# Altium PCB PROC114E3_BRD.PcbDoc (part 1 of 18) (continued)
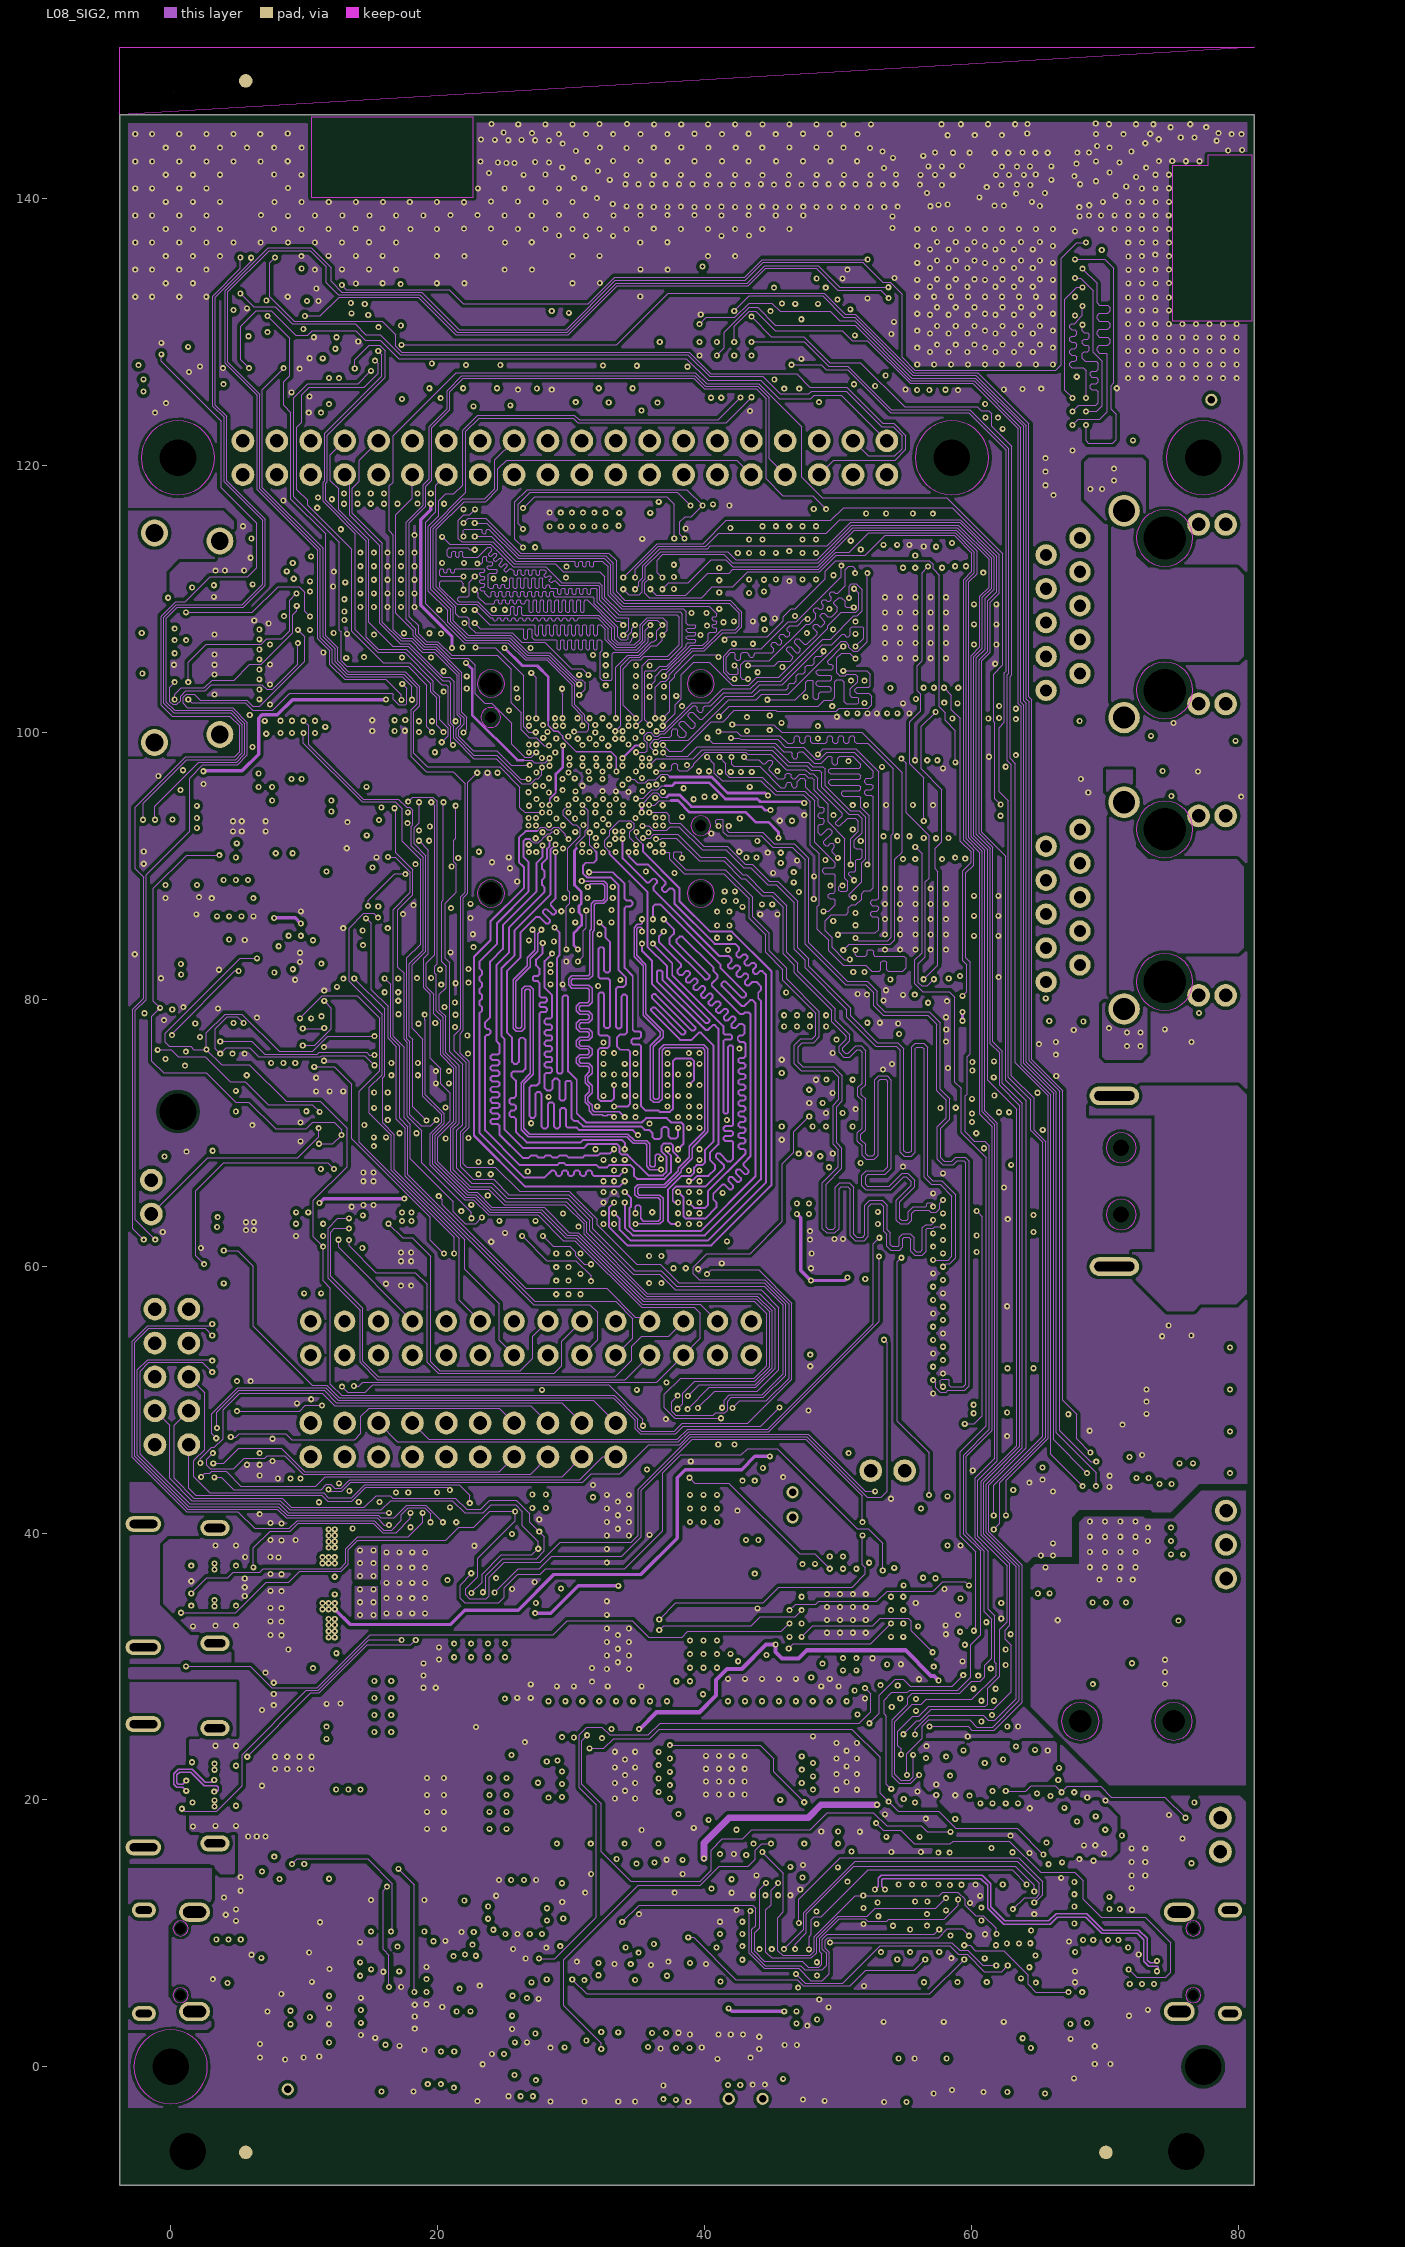
[diagram p8: L08_SIG2]
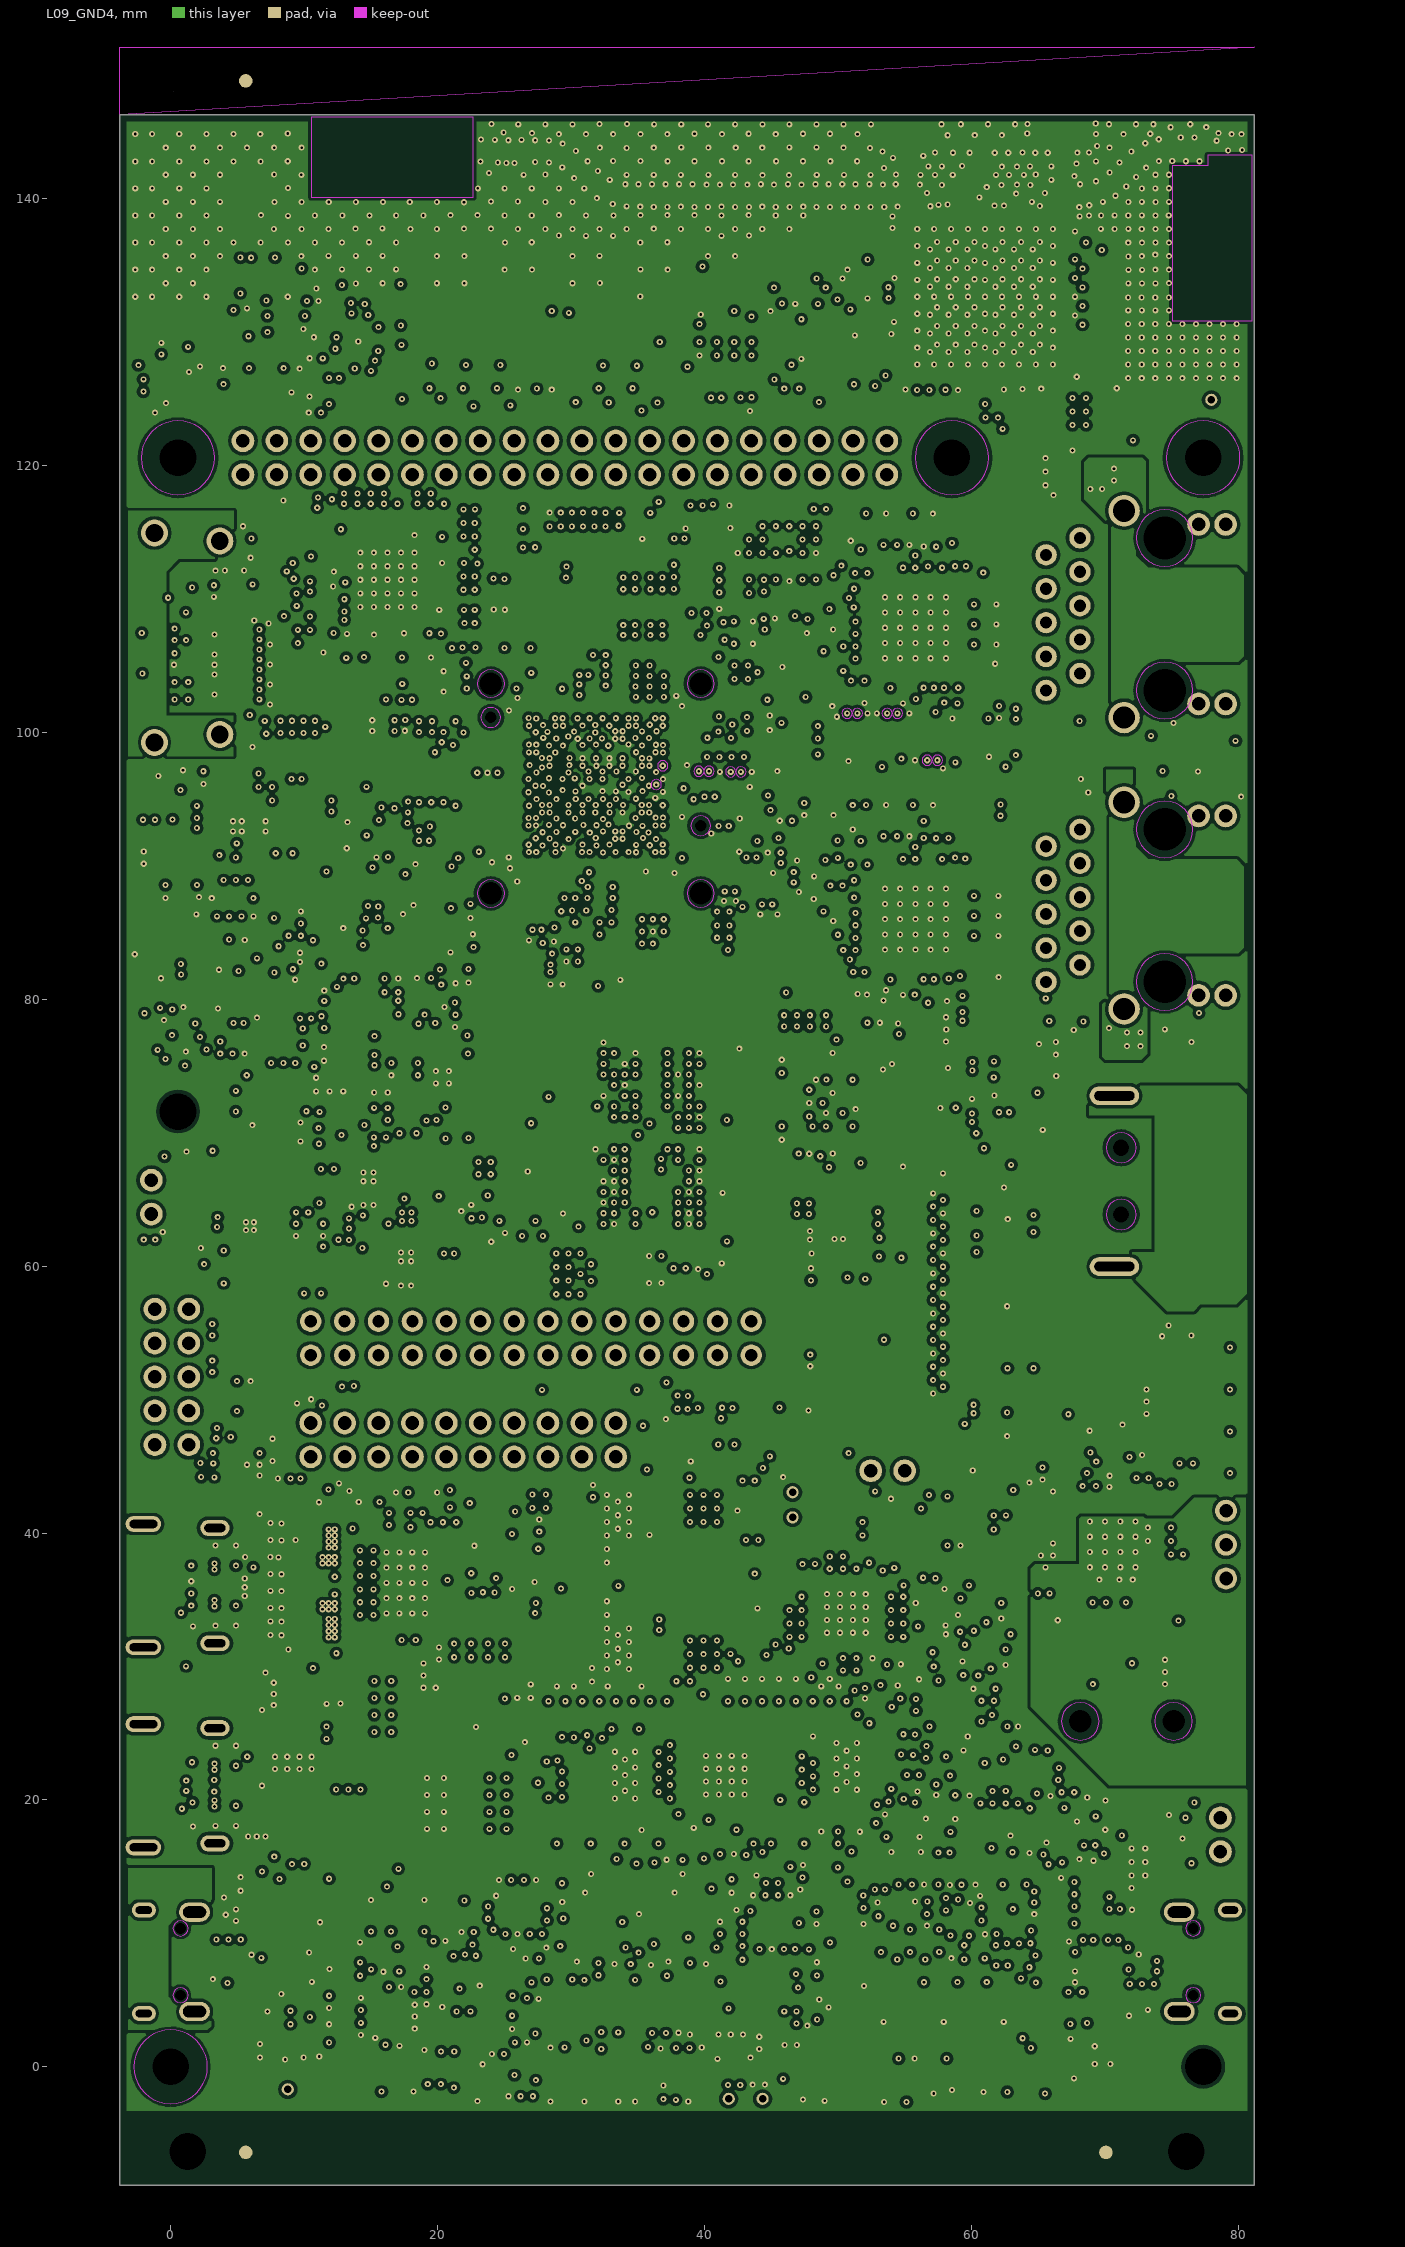
[diagram p9: L09_GND4]

## Layer stack, top to bottom
Top Solder: solder mask 0.0102, Solder Resist, Dk 3.5
TOP: signal copper 0.0348
Dielectric 1: core 0.0469, FR-4, Dk 3.79
L02_GND1: signal copper 0.032
Dielectric2: core 0.1016, FR-4, Dk 4.4
L03_SIG1: signal copper 0.032
Dielectric3: core 0.0844, FR-4, Dk 4.13
L04_GND2: signal copper 0.032
Dielectric4: core 0.127, FR-4, Dk 4.21
L05_PWR1: signal copper 0.032
Dielectric5: core 0.0911, FR-4, Dk 4.13
L06_PWR2: signal copper 0.0305
Dielectric6: core 0.127, FR-4, Dk 4.21
L07_GND3: signal copper 0.032
Dielectric7: core 0.0837, FR-4, Dk 4.13
L08_SIG2: signal copper 0.032
Dielectric8: core 0.1016, FR-4, Dk 4.4
L09_GND4: signal copper 0.032
Dielectric9: core 0.0469, FR-4, Dk 3.79
BOTTOM: signal copper 0.0348
Bottom Solder: solder mask 0.0102, Solder Resist, Dk 3.5

## Board outline
81.19,-3.81 81.19,-8.89 -3.81,-8.89 -3.81,-3.81 -3.81,146.287 81.19,146.287 81.19,-3.81
cut-out: -3.81,146.287 -3.81,151.367 81.19,151.367

## Design rules (kind name [scope] priority, off if disabled: settings)
Clearance [All] p1: gap=0.254 ignorepadtopadclearanceinfootprint=FALSE except(0: Arc-Hole Track-Hole SMDPad-Hole THPad-Hole Via-Hole Fill-Hole Poly-Hole Region-Hole Text-Hole)
DiffPairsRouting [All] p1: maxlimit=0.254 minlimit=0.254 mostfreqgap=0.254 toplayer_minwidth=0.381 toplayer_maxwidth=0.381 toplayer_prefwidth=0.381 midlayer1_minwidth=0.381 midlayer1_maxwidth=0.381 midlayer1_prefwidth=0.381 midlayer2_minwidth=0.381 midlayer2_maxwidth=0.381 midlayer2_prefwidth=0.381 midlayer3_minwidth=0.381 midlayer3_maxwidth=0.381 midlayer3_prefwidth=0.381 midlayer4_minwidth=0.381 midlayer4_maxwidth=0.381 midlayer4_prefwidth=0.381 midlayer5_minwidth=0.381 midlayer5_maxwidth=0.381 midlayer5_prefwidth=0.381 midlayer6_minwidth=0.381 midlayer6_maxwidth=0.381 midlayer6_prefwidth=0.381 midlayer7_minwidth=0.381 midlayer7_maxwidth=0.381 midlayer7_prefwidth=0.381 midlayer8_minwidth=0.381 midlayer8_maxwidth=0.381 midlayer8_prefwidth=0.381 bottomlayer_minwidth=0.381 bottomlayer_maxwidth=0.381 bottomlayer_prefwidth=0.381 maxuncoupledlength=12.7
PlaneConnect [All] p1: planeconnectstyle=Direct reliefexpansion=0.508 reliefentries=4 reliefconductorwidth=0.254 reliefairgap=0.254
PolygonConnect [All] p1: connectstyle=Direct reliefconductorwidth=0.254 reliefentries=4 polygonreliefangle="90 Angle" airgapwidth=0.254
RoomDefinition RoomsKeepOut7 [All vs False] p1: confinementstyle=ConfineOut formatcopy=TRUE lockcomponents=FALSE outline 3.306,71.584 3.272,72.016 3.171,72.436 3.005,72.836 2.779,73.206 2.498,73.535 2.169,73.816 1.799,74.042 1.4,74.208 0.979,74.309 0.547,74.343 0.116,74.309 -0.305,74.208 -0.705,74.042 -0.828,73.966 -1.074,73.816 -1.403,73.535 -1.685,73.206 -1.911,72.836 -2.076,72.436 -2.177,72.016 -2.211,71.584 -2.177,71.153 -2.076,70.732 -1.911,70.332 -1.685,69.963 -1.403,69.633 -1.074,69.352 -0.828,69.202 -0.705,69.126 -0.305,68.961 0.116,68.859 0.547,68.825 0.979,68.859 1.4,68.961 1.799,69.126 2.169,69.352 2.498,69.633 2.779,69.963 3.005,70.332 3.171,70.732 3.272,71.153 3.306,71.584
RoomDefinition RoomsKeepOut6 [All vs False] p2: confinementstyle=ConfineOut formatcopy=TRUE lockcomponents=FALSE outline 3.306,71.584 3.272,72.016 3.171,72.436 3.005,72.836 2.779,73.206 2.498,73.535 2.169,73.816 1.799,74.042 1.4,74.208 0.979,74.309 0.547,74.343 0.116,74.309 -0.305,74.208 -0.705,74.042 -0.828,73.966 -1.074,73.816 -1.403,73.535 -1.685,73.206 -1.911,72.836 -2.076,72.436 -2.177,72.016 -2.211,71.584 -2.177,71.153 -2.076,70.732 -1.911,70.332 -1.685,69.963 -1.403,69.633 -1.074,69.352 -0.828,69.202 -0.705,69.126 -0.305,68.961 0.116,68.859 0.547,68.825 0.979,68.859 1.4,68.961 1.799,69.126 2.169,69.352 2.498,69.633 2.779,69.963 3.005,70.332 3.171,70.732 3.272,71.153 3.306,71.584
RoomDefinition RoomsKeepOut5 [All vs False] p3: confinementstyle=ConfineOut formatcopy=TRUE lockcomponents=FALSE outline 80.139,0 80.105,0.432 80.004,0.852 79.838,1.252 79.612,1.621 79.331,1.951 79.002,2.232 78.632,2.458 78.233,2.624 77.812,2.725 77.38,2.759 76.949,2.725 76.528,2.624 76.128,2.458 76.005,2.382 75.759,2.232 75.429,1.951 75.148,1.621 74.922,1.252 74.757,0.852 74.655,0.432 74.622,0 74.655,-0.432 74.757,-0.852 74.922,-1.252 75.148,-1.621 75.429,-1.951 75.759,-2.232 76.005,-2.382 76.128,-2.458 76.528,-2.624 76.949,-2.725 77.38,-2.759 77.812,-2.725 78.233,-2.624 78.632,-2.458 79.002,-2.232 79.331,-1.951 79.612,-1.621 79.838,-1.252 80.004,-0.852 80.105,-0.432 80.139,0
RoomDefinition RoomsKeepOut4 [All vs False] p4: confinementstyle=ConfineOut formatcopy=TRUE lockcomponents=FALSE outline 80.139,0 80.105,0.432 80.004,0.852 79.838,1.252 79.612,1.621 79.331,1.951 79.002,2.232 78.632,2.458 78.233,2.624 77.812,2.725 77.38,2.759 76.949,2.725 76.528,2.624 76.128,2.458 76.005,2.382 75.759,2.232 75.429,1.951 75.148,1.621 74.922,1.252 74.757,0.852 74.655,0.432 74.622,0 74.655,-0.432 74.757,-0.852 74.922,-1.252 75.148,-1.621 75.429,-1.951 75.759,-2.232 76.005,-2.382 76.128,-2.458 76.528,-2.624 76.949,-2.725 77.38,-2.759 77.812,-2.725 78.233,-2.624 78.632,-2.458 79.002,-2.232 79.331,-1.951 79.612,-1.621 79.838,-1.252 80.004,-0.852 80.105,-0.432 80.139,0
RoomDefinition RoomsKeepOut3 [All vs False] p5: confinementstyle=ConfineOut formatcopy=TRUE lockcomponents=FALSE outline 6.714,-6.418 6.677,-6.136 6.568,-5.874 6.395,-5.648 6.169,-5.475 5.907,-5.366 5.625,-5.329 5.343,-5.366 5.081,-5.475 4.855,-5.648 4.682,-5.874 4.573,-6.136 4.536,-6.418 4.573,-6.7 4.682,-6.962 4.855,-7.188 5.081,-7.361 5.343,-7.47 5.625,-7.507 5.907,-7.47 6.169,-7.361 6.395,-7.188 6.568,-6.962 6.677,-6.7 6.714,-6.418
RoomDefinition RoomsKeepOut2 [All vs False] p6: confinementstyle=ConfineOut formatcopy=TRUE lockcomponents=FALSE outline 71.179,-6.418 71.142,-6.136 71.033,-5.874 70.86,-5.648 70.635,-5.475 70.372,-5.366 70.09,-5.329 69.808,-5.366 69.546,-5.475 69.32,-5.648 69.147,-5.874 69.039,-6.136 69.001,-6.418 69.039,-6.7 69.147,-6.962 69.32,-7.188 69.546,-7.361 69.808,-7.47 70.09,-7.507 70.372,-7.47 70.635,-7.361 70.86,-7.188 71.033,-6.962 71.142,-6.7 71.179,-6.418
RoomDefinition RoomsKeepOut1 [All vs False] p7: confinementstyle=ConfineOut formatcopy=TRUE lockcomponents=FALSE outline 71.179,-6.418 71.142,-6.136 71.033,-5.874 70.86,-5.648 70.635,-5.475 70.372,-5.366 70.09,-5.329 69.808,-5.366 69.546,-5.475 69.32,-5.648 69.147,-5.874 69.039,-6.136 69.001,-6.418 69.039,-6.7 69.147,-6.962 69.32,-7.188 69.546,-7.361 69.808,-7.47 70.09,-7.507 70.372,-7.47 70.635,-7.361 70.86,-7.188 71.033,-6.962 71.142,-6.7 71.179,-6.418
RoomDefinition RoomsKeepOut0 [All vs False] p8: confinementstyle=ConfineOut formatcopy=TRUE lockcomponents=FALSE outline 6.714,148.827 6.677,149.109 6.568,149.371 6.395,149.597 6.169,149.77 5.907,149.878 5.625,149.916 5.343,149.878 5.081,149.77 4.855,149.597 4.682,149.371 4.573,149.109 4.536,148.827 4.573,148.545 4.682,148.282 4.855,148.057 5.081,147.884 5.343,147.775 5.625,147.738 5.907,147.775 6.169,147.884 6.395,148.057 6.568,148.282 6.677,148.545 6.714,148.827
RoutingVias [All] p1: holewidth=0.711 width=1.27 viastyle="Through Hole" minholewidth=0.711 minwidth=1.27 maxholewidth=0.711 maxwidth=1.27
SolderMaskExpansion [All] p1: expansion=0.102 istentingtop=FALSE
Width [All] p1: maxlimit=0.254 minlimit=0.254 preferedwidth=0.254 impedanceprofiledriven=TRUE minimp=48.690000 maximp=50.300000 favimp=48.360000
28 further rules are at their usual default settings.

## Classes and differential pairs
net class DDR_DATA: DDR_DQ0 DDR_DQ1 DDR_DQ2 DDR_DQ3 DDR_DQ4 DDR_DQ5 DDR_DQ6 DDR_DQ7 DDR_DQ8 DDR_DQ9 DDR_DQ10 DDR_DQ11 DDR_DQ12 DDR_DQ13 DDR_DQ14 DDR_DQ15 DDR_LDM DDR_UDM
net class DDR_ADDR: DDR_A0 DDR_A1 DDR_A2 DDR_A3 DDR_A4 DDR_A5 DDR_A6 DDR_A7 DDR_A8 DDR_A9 DDR_A10 DDR_A11 DDR_A12 DDR_A13 DDR_A14_WEN DDR_A15_CAS DDR_A16_RAS DDR_ACTN DDR_ALERTN DDR_BA0 DDR_BA1 DDR_BG0 DDR_CKE DDR_CSN DDR_ODT DDR_PARITY DDR_TEN
differential pair XDS_USB: +XDS_USB_DM -XDS_USB_DP
differential pair SOC_USB0: +USBC_CONN2_DM -USBC_CONN2_DP
differential pair SOC_USB1: +USB0_TYPEACONN1_DM -USB0_TYPEACONN1_DP
differential pair SOC_USB1: +SOC_USB1_DP -USB0_TYPEACONN1_DM
differential pair SOC_USB1: +SOC_USB1_DM -SOC_USB1_DP
differential pair SOC_USB0: +SOC_USB0_DP -USBC_CONN2_DM
differential pair SOC_USB0: +SOC_USB0_DM -SOC_USB0_DP
differential pair HDMI_TX2: +HDMI_TX2- -HDMI_TX2+
differential pair HDMI_TX1: +HDMI_TX1- -HDMI_TX1+
differential pair HDMI_TX0: +HDMI_TX0- -HDMI_TX0+
differential pair HDMI_CLK: +HDMI_CLK- -HDMI_CLK+
differential pair FT4232_USB: +FT4232_USB_DM -FT4232_USB_DP
differential pair DDR_UDQS: +DDR_UDQS_N -DDR_UDQS_P
differential pair DDR_LDQS: +DDR_LDQS_N -DDR_LDQS_P
differential pair DDR_CLK: +DDR_CLKN -DDR_CLKP
differential pair CSI0_RX1: +CSI0_RXN1 -CSI0_RXP1
differential pair CSI0_RX0: +CSI0_RXN0 -CSI0_RXP0
differential pair CSI0_RXCLK: +CSI0_RXCLKN -CSI0_RXCLKP
differential pair CPSW_ETH2_D3: +CPSW_ETH2_D3M -CPSW_ETH2_D3P
differential pair CPSW_ETH2_D2: +CPSW_ETH2_D2M -CPSW_ETH2_D2P
differential pair CPSW_ETH2_D1: +CPSW_ETH2_D1M -CPSW_ETH2_D1P
differential pair CPSW_ETH2_D0: +CPSW_ETH2_D0N -CPSW_ETH2_D0P
differential pair CPSW_ETH1_D3: +CPSW_ETH1_D3M -CPSW_ETH1_D3P
differential pair CPSW_ETH1_D2: +CPSW_ETH1_D2M -CPSW_ETH1_D2P
differential pair CPSW_ETH1_D1: +CPSW_ETH1_D1M -CPSW_ETH1_D1P
differential pair CPSW_ETH1_D0: +CPSW_ETH1_D0N -CPSW_ETH1_D0P
differential pair CH2_LVDS_CLK: +CH2_LVDS_CLKN -CH2_LVDS_CLKP
differential pair CH2_LVDS_A3: +CH2_LVDS_A3N -CH2_LVDS_A3P
differential pair CH2_LVDS_A2: +CH2_LVDS_A2N -CH2_LVDS_A2P
differential pair CH2_LVDS_A1: +CH2_LVDS_A1N -CH2_LVDS_A1P
differential pair CH2_LVDS_A0: +CH2_LVDS_A0N -CH2_LVDS_A0P
differential pair CH1_LVDS_CLK: +CH1_LVDS_CLKN -CH1_LVDS_CLKP
differential pair CH1_LVDS_A3: +CH1_LVDS_A3N -CH1_LVDS_A3P
differential pair CH1_LVDS_A2: +CH1_LVDS_A2N -CH1_LVDS_A2P
differential pair CH1_LVDS_A1: +CH1_LVDS_A1N -CH1_LVDS_A1P
differential pair CH1_LVDS_A0: +CH1_LVDS_A0N -CH1_LVDS_A0P

## Components (designator, comment, footprint, x,y, rotation, side; value= is the part's Value field where it differs from the comment)
A1 "ANT_431115300245_ANT2_W3006_390" ANT2_W3006_390X130_SMD#1 16.746,144.318 r180 top
A2 "ANT_431115300245_ANT2_W3006_390" ANT2_W3006_390X130_SMD#2 79.297,137.059 r270 top
BGASKT425_C21135_720X720_9-7 "" BGASKT425_C21135_720X720_9-7 31.863,95.798 r90 top
C1 "CAP_CAP0402_0-75_2.4PF" CAP0402_0-75#1 76.183,143.705 r180 top
C2 "CAP_CAP0402_0-75_1PF" CAP0402_0-75#1 25.273,143.565 r0 top
C3 "CAP_CAP0201_0-5_0.1UF" CAP0201_0-5#1 53.43,134.451 r270 top
C4 "CAP_CAP0402_0-75_2.2UF" CAP0402_0-75#1 52.218,134.241 r270 top
C5 "CAP_CAP0201_0-5_0.1UF" CAP0201_0-5#1 49.379,134.02 r0 top
C6 "CAP_CAP0201_0-5_0.1UF" CAP0201_0-5#1 6.633,131.783 r0 top
C7 "CAP_CAP0201_0-5_0.1UF" CAP0201_0-5#1 10.672,131.783 r180 top
C8 "CAP_CAP0201_0-5_0.1UF" CAP0201_0-5#1 11.527,129.619 r0 top
C9 "CAP_CAP0402_0-75_10UF" CAP0402_0-75#1 52.135,129.271 r90 top
C10 "CAP_CAP0201_0-5_0.1UF" CAP0201_0-5#1 53.309,129.225 r90 top
C11 "CAP_CAP0201_0-5_0.1UF" CAP0201_0-5#1 11.527,128.755 r0 top
C12 "CAP_CAP0201_0-5_1UF" CAP0201_0-5#1 2.196,126.565 r90 top
C13 "CAP_CAP0402_0-75_2.2UF" CAP0402_0-75#1 7.431,125.461 r0 top
C14 "CAP_CAP0402_0-75_2.2UF" CAP0402_0-75#1 -1.167,125.169 r270 top
C15 "CAP_CAP0402_0-75_0.1UF" CAP0402_0-75#1 7.456,124.191 r180 top
C16 "CAP_CAP0201_0-5_1UF" CAP0201_0-5#1 41.322,116.715 r90 top
C17 "CAP_CAP0201_0-5_1UF" CAP0201_0-5#1 38.528,116.028 r270 top
C18 "CAP_CAP0402_0-75_0.1UF" CAP0402_0-75#1 39.323,113.01 r0 bottom
C19 "CAP_CAP0201_0-5_1UF" CAP0201_0-5#1 55.208,113.184 r90 top
C20 "CAP_CAP0201_0-5_0.1UF" CAP0201_0-5#1 6.834,113.091 r0 top
C21 "CAP_CAP0201_0-5_1UF" CAP0201_0-5#1 55.361,111.155 r270 top
C22 "CAP_CAP0201_0-5_0.1UF" CAP0201_0-5#1 56.25,111.155 r270 top
C23 "CAP_CAP0402_0-75_0.1UF" CAP0402_0-75#1 41.797,109.941 r90 top
C24 "CAP_CAP0201_0-5_0.01UF" CAP0201_0-5#1 59.367,109.597 r180 top
C25 "CAP_CAP0201_0-5_0.1UF" CAP0201_0-5#1 61.044,109.597 r0 top
C26 "CAP_CAP0201_0-5_0.01UF" CAP0201_0-5#1 61.05,108.849 r0 top
C27 "CAP_CAP0201_0-5_0.1UF" CAP0201_0-5#1 50.411,108.304 r180 top
C28 "CAP_CAP0201_0-5_1UF" CAP0201_0-5#1 52.182,108.304 r0 top
C29 "CAP_CAP0201_0-5_0.1UF" CAP0201_0-5#1 61.044,108.097 r0 top
C30 "CAP_CAP0201_0-5_0.01UF" CAP0201_0-5#1 47.07,107.96 r180 top
C31 "CAP_CAP0201_0-5_0.1UF" CAP0201_0-5#1 42.917,107.864 r0 top
C32 "CAP_CAP0201_0-5_0.1UF" CAP0201_0-5#1 52.182,107.39 r0 top
C33 "CAP_CAP0402_0-75_10UF" CAP0402_0-75#1 59.254,107.307 r180 top
C34 "CAP_CAP0201_0-5_0.1UF" CAP0201_0-5#1 42.917,107.102 r0 top
C35 "CAP_CAP0201_0-5_1UF" CAP0201_0-5#1 61.044,106.597 r0 top
C36 "CAP_CAP0201_0-5_0.1UF" CAP0201_0-5#1 21.299,104.582 r180 top
C37 "CAP_CAP0201_0-5_1UF" CAP0201_0-5#1 21.299,103.82 r0 top
C38 "CAP_CAP0201_0-5_0.01UF" CAP0201_0-5#1 50.037,103.694 r270 top
C39 "CAP_CAP0402_0-75_10UF" CAP0402_0-75#1 52.948,103.109 r270 top
C40 "CAP_CAP0201_0-5_0.1UF" CAP0201_0-5#1 21.299,103.058 r180 top
C41 "CAP_CAP0402_0-75_4.7UF" CAP0402_0-75#1 48.132,101.608 r0 top
C42 "CAP_CAP0201_0-5_0.1UF" CAP0201_0-5#1 15.959,100.837 r180 top
C43 "CAP_CAP0402_0-75_10UF" CAP0402_0-75#1 62.336,100.359 r180 top
C44 "CAP_CAP0201_0-5_0.1UF" CAP0201_0-5#1 15.959,100.075 r180 top
C45 "CAP_CAP0402_0-75_0.1UF" CAP0402_0-75#1 62.336,99.089 r180 top
C46 "CAP_CAP0402_0-75_0.1UF" CAP0402_0-75#1 1.233,96.403 r0 top
C47 "CAP_CAP0201_0-5_1UF" CAP0201_0-5#1 -0.646,96.175 r180 top
C48 "CAP_CAP0402_0-75_4.7UF" CAP0402_0-75#1 45.467,95.946 r90 top
C49 "CAP_CAP0402_0-75_4.7UF" CAP0402_0-75#1 48.981,94.547 r0 top
C50 "CAP_CAP0603_1_4.7UF" CAP0603_1#1 3.646,94.27 r0 top
C51 "CAP_CAP0201_0-5_0.01UF" CAP0201_0-5#1 14.254,93.701 r180 top
C52 "CAP_CAP0603_1_22UF" CAP0603_1#1 6.229,93.558 r270 top
C53 "CAP_CAP0402_0-75_0.1UF" CAP0402_0-75#1 7.867,93.558 r90 top
C54 "CAP_CAP0201_0-5_0.1UF" CAP0201_0-5#1 14.254,92.939 r180 top
C55 "CAP_CAP0201_0-5_0.1UF" CAP0201_0-5#1 43.081,92.7 r90 top
C56 "CAP_CAP0201_0-5_0.1UF" CAP0201_0-5#1 43.97,92.7 r90 top
C57 "CAP_CAP0402_0-75_4.7UF" CAP0402_0-75#1 15.174,91.473 r0 top
C58 "CAP_CAP0201_0-5_1UF" CAP0201_0-5#1 55.208,91.34 r90 top
C59 "CAP_CAP0402_0-75_0.1UF" CAP0402_0-75#1 12.462,90.752 r270 top
C60 "CAP_CAP0402_0-75_4.7UF" CAP0402_0-75#1 -0.794,90.617 r180 top
C61 "CAP_CAP0201_0-5_0.01UF" CAP0201_0-5#1 54.446,89.311 r270 top
C62 "CAP_CAP0201_0-5_1UF" CAP0201_0-5#1 55.361,89.311 r270 top
C63 "CAP_CAP0201_0-5_0.1UF" CAP0201_0-5#1 56.25,89.311 r270 top
C64 "CAP_CAP0402_0-75_0.1UF" CAP0402_0-75#1 8.51,88.143 r0 top
C65 "CAP_CAP0402_0-75_2.2UF" CAP0402_0-75#1 -1.19,88.077 r90 top
C66 "CAP_CAP0402_0-75_0.1UF" CAP0402_0-75#1 1.274,88.077 r90 top
C67 "CAP_CAP0201_0-5_0.01UF" CAP0201_0-5#1 59.367,87.753 r180 top
C68 "CAP_CAP0201_0-5_0.1UF" CAP0201_0-5#1 61.044,87.753 r0 top
C69 "CAP_CAP0402_0-75_10UF" CAP0402_0-75#1 50.001,87.615 r180 top
C70 "CAP_CAP0201_0-5_0.1UF" CAP0201_0-5#1 50.411,86.46 r180 top
C71 "CAP_CAP0201_0-5_1UF" CAP0201_0-5#1 52.182,86.46 r0 top
C72 "CAP_CAP0402_0-75_0.1UF" CAP0402_0-75#1 6.93,86.455 r90 top
C73 "CAP_CAP0201_0-5_0.1UF" CAP0201_0-5#1 61.044,86.253 r0 top
C74 "CAP_CAP0402_0-75_0.1UF" CAP0402_0-75#1 10.454,86.168 r90 top
C75 "CAP_CAP0402_0-75_9PF" CAP0402_0-75#1 21.711,85.862 r90 top
C76 "CAP_CAP0201_0-5_0.1UF" CAP0201_0-5#1 52.182,85.546 r0 top
C77 "CAP_CAP0402_0-75_10UF" CAP0402_0-75#1 59.254,85.463 r180 top
C78 "CAP_CAP0201_0-5_1UF" CAP0201_0-5#1 61.044,84.753 r0 top
C79 "CAP_CAP0402_0-75_9PF" CAP0402_0-75#1 21.711,83.83 r270 top
C80 "CAP_CAP0201_0-5_0.1UF" CAP0201_0-5#1 21.718,81.932 r270 top
C81 "CAP_CAP0201_0-5_1UF" CAP0201_0-5#1 32.894,81.765 r0 top
C82 "CAP_CAP0201_0-5_0.1UF" CAP0201_0-5#1 27.083,81.61 r270 top
C83 "CAP_CAP0201_0-5_0.1UF" CAP0201_0-5#1 27.845,81.61 r270 top
C84 "CAP_CAP0201_0-5_0.01UF" CAP0201_0-5#1 50.984,81.087 r270 top
C85 "CAP_CAP0201_0-5_0.1UF" CAP0201_0-5#1 32.894,81.003 r0 top
C86 "CAP_CAP0201_0-5_1UF" CAP0201_0-5#1 9.61,80.935 r0 top
C87 "CAP_CAP0402_0-75_0.1UF" CAP0402_0-75#1 -1.535,80.731 r90 top
C88 "CAP_CAP0201_0-5_1UF" CAP0201_0-5#1 23.054,80.709 r90 top
C89 "CAP_CAP0201_0-5_0.1UF" CAP0201_0-5#1 23.816,80.709 r90 top
C90 "CAP_CAP0201_0-5_0.01UF" CAP0201_0-5#1 24.578,80.709 r90 top
C91 "CAP_CAP0402_0-75_2.2UF" CAP0402_0-75#1 4.332,79.639 r270 top
C92 "CAP_CAP0201_0-5_1UF" CAP0201_0-5#1 10.893,79.518 r90 top
C93 "CAP_CAP0201_0-5_0.1UF" CAP0201_0-5#1 20.239,78.883 r180 top
C94 "CAP_CAP0402_0-75_0.1UF" CAP0402_0-75#1 0.645,78.44 r180 top
C95 "CAP_CAP0201_0-5_1UF" CAP0201_0-5#1 58.976,77.727 r180 top
C96 "CAP_CAP0402_0-75_0.1UF" CAP0402_0-75#1 7.097,77.176 r270 top
C97 "CAP_CAP0402_0-75_0.1UF" CAP0402_0-75#1 12.693,76.726 r0 top
C98 "CAP_CAP0402_0-75_2.2UF" CAP0402_0-75#1 12.693,75.456 r180 top
C99 "CAP_CAP0402_0-75_0.1UF" CAP0402_0-75#1 5.122,75.231 r0 top
C100 "CAP_CAP0201_0-5_1UF" CAP0201_0-5#1 59.038,74.846 r180 top
C101 "CAP_CAP0402_0-75_0.1UF" CAP0402_0-75#1 22.544,73.188 r90 top
C102 "CAP_CAP0201_0-5_0.1UF" CAP0201_0-5#1 41.52,73.154 r270 top
C103 "CAP_CAP0402_0-75_0.1UF" CAP0402_0-75#1 17.782,72.761 r180 top
C104 "CAP_CAP0402_0-75_2.2UF" CAP0402_0-75#1 14.439,72.533 r90 top
C105 "CAP_CAP0201_0-5_120PF" CAP0201_0-5#1 5.835,61.169 r180 top
C106 "CAP_CAP0402_0-75_0.1UF" CAP0402_0-75#1 9.242,70.049 r180 top
C107 "CAP_CAP0603_1_22UF" CAP0603_1#1 7.162,64.046 r270 top
C108 "CAP_CAP0603_1_4.7UF" CAP0603_1#1 16.321,68.006 r270 top
C110 "CAP_CAP0603_1_4.7UF" CAP0603_1#1 4.568,64.598 r0 top
C111 "CAP_CAP0201_0-5_120PF" CAP0201_0-5#1 11.145,65.623 r90 top
C112 "CAP_CAP0603_1_22UF" CAP0603_1#1 15.584,65.474 r180 top
C113 "CAP_CAP0201_0-5_0.01UF" CAP0201_0-5#1 24.336,65.018 r90 top
C114 "CAP_CAP0402_0-75_0.1UF" CAP0402_0-75#1 21.288,64.827 r180 top
C115 "CAP_CAP0201_0-5_0.1UF" CAP0201_0-5#1 61.831,63.555 r0 top
C116 "CAP_CAP0402_0-75_0.1UF" CAP0402_0-75#1 8.697,62.689 r270 top
C117 "CAP_CAP0603_1_4.7UF" CAP0603_1#1 19.14,62.062 r270 top
C118 "CAP_CAP0402_0-75_0.1UF" CAP0402_0-75#1 24.768,61.337 r270 top
C119 "CAP_CAP0402_0-75_0.1UF" CAP0402_0-75#1 10.641,60.714 r180 top
C120 "CAP_CAP0201_0-5_120PF" CAP0201_0-5#1 13.71,59.883 r90 top
C121 "CAP_CAP0402_0-75_0.1UF" CAP0402_0-75#1 34.309,59.509 r90 top
C122 "CAP_CAP0603_1_22UF" CAP0603_1#1 18.404,59.429 r180 top
C129 "CAP_CAP0201_0-5_0.1UF" CAP0201_0-5#1 58.391,70.975 r0 top
C134 "CAP_CAP0201_0-5_0.1UF" CAP0201_0-5#1 31.06,42.962 r90 top
C135 "CAP_CAP0402_0-75_220PF" CAP0402_0-75#1 19.479,42.288 r0 top
C136 "CAP_CAP0402_0-75_220PF" CAP0402_0-75#1 17.378,42.285 r180 top
C137 "CAP_CAP0201_0-5_0.1UF" CAP0201_0-5#1 74.101,40.401 r180 top
C138 "CAP_CAP0402_0-75_4.7UF" CAP0402_0-75#1 17.221,39.944 r270 top
C139 "CAP_CAP0402_0-75_0.1UF" CAP0402_0-75#1 10.453,39.885 r180 top
C140 "CAP_CAP0201_0-5_0.1UF" CAP0201_0-5#1 74.101,39.401 r180 top
C141 "CAP_CAP0603_1_10UF" CAP0603_1#1 9.73,38.361 r180 top
C142 "CAP_CAP0402_0-75_10UF" CAP0402_0-75#1 11.088,36.837 r0 top
C143 "CAP_CAP0402_0-75_4.7UF" CAP0402_0-75#1 20.25,35.761 r180 top
C144 "CAP_CAP0402_0-75_10UF" CAP0402_0-75#1 11.088,35.694 r0 top